# KiCad board PiEEG.kicad_pcb (continued)
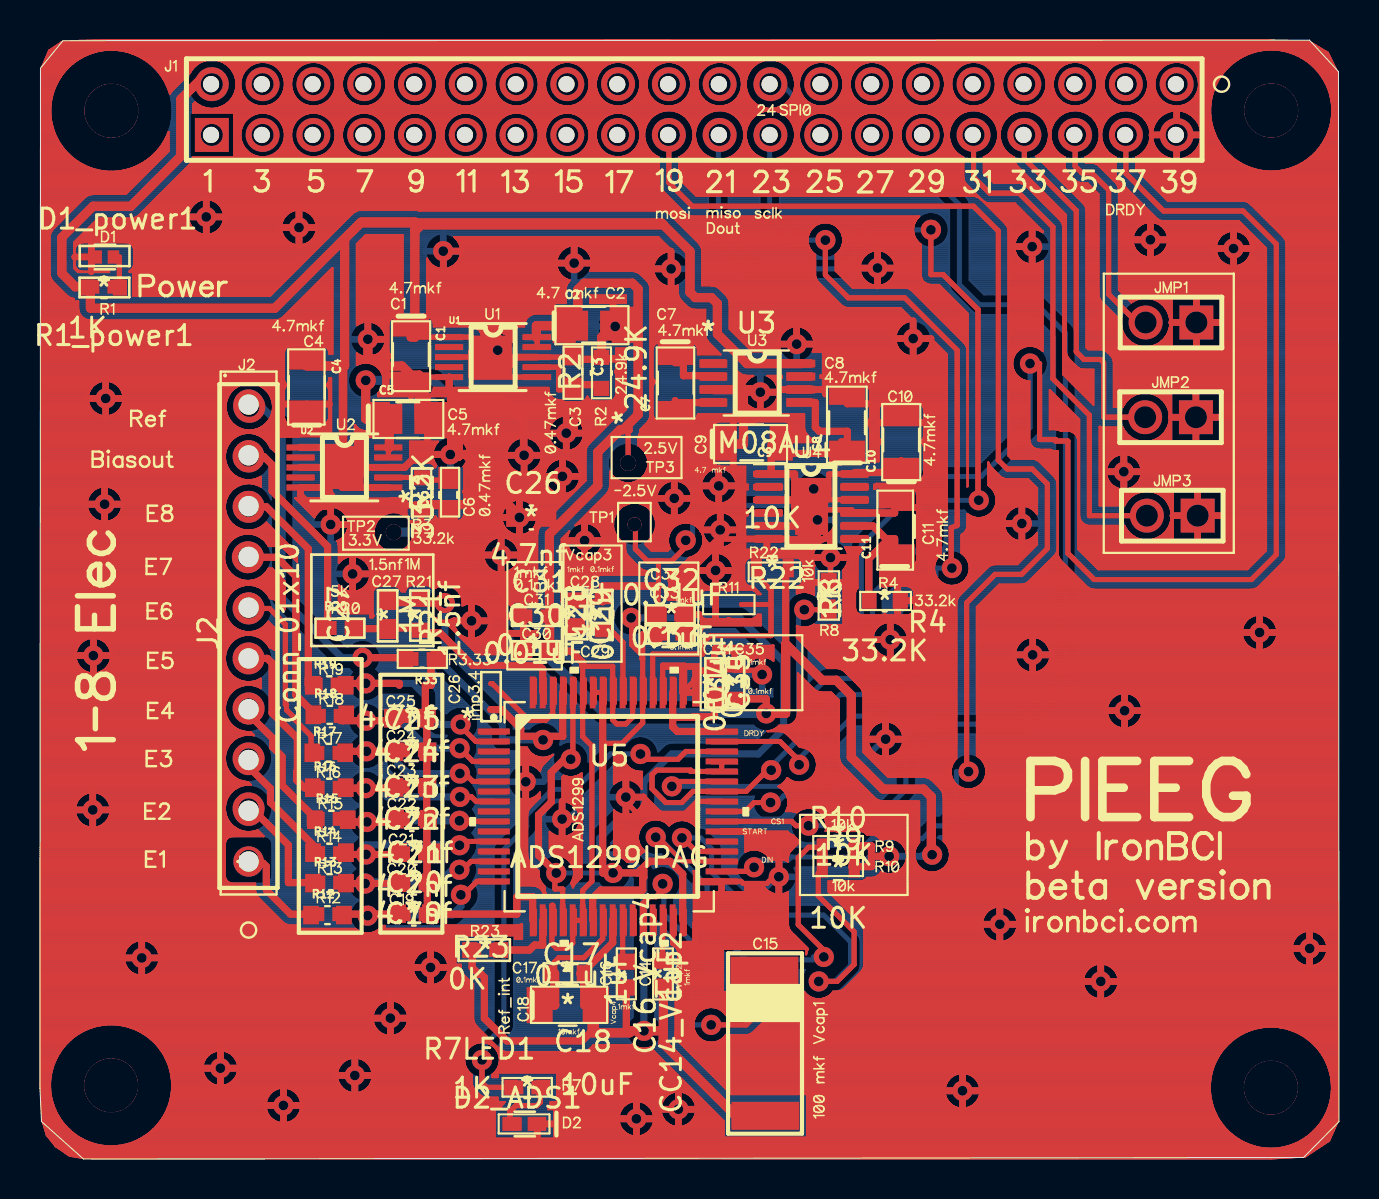
[diagram p0: board, top side]
## Routing (per net, layer and track width the routed paths; a pad name or vN(x,y) marks a point on that pad's centre or on a via; arc(x,y) is an arc through that point) (continued)
21.67,7.09 ; 21.67,7 21.67,7.09 ; 10.79,13.28 10.78,13.32 ; 10.79,13.28 10.78,13.32 ; 10.78,13.32 10.77,13.37 ; 10.78,13.32 10.77,13.37 ; 57.96,50.68 57.92,50.61 ; 57.96,50.68 57.99,50.76 ; 57.96,50.68 57.92,50.61 ; 57.96,50.68 57.99,50.76 ; 57.92,50.61 57.88,50.55 ; 57.92,50.61 57.88,50.55 ; 37.07,41.21 37.11,41.27 ; 37.07,41.21 37.11,41.27 ; 37.07,41.21 37.04,41.15 ; 37.07,41.21 37.04,41.15 ; 37.11,41.27 37.15,41.32 ; 37.11,41.27 37.15,41.32 ; 55.69,50.82 55.67,50.89 ; 55.69,50.82 55.67,50.89 ; 55.69,50.82 55.72,50.74 ; 55.69,50.82 55.72,50.74 ; 55.67,50.89 55.65,50.97 ; 55.67,50.89 55.65,50.97 ; 52.25,47.75 52.22,47.78 ; 52.25,47.75 52.22,47.78 ; 28.71,18.77 28.75,18.81 ; 28.71,18.77 28.75,18.81 ; 28.71,18.77 28.71,20.29 ; 28.71,18.77 28.71,20.29 ; 28.75,18.81 28.81,18.85 ; 28.75,18.81 28.81,18.85 ; 43.72,46.78 43.74,46.83 ; 43.72,46.78 43.74,46.83 ; 59.49,50.23 59.38,50.34 ; 59.49,50.23 59.38,50.34 ; 59.38,50.34 59.28,50.45 ; 59.38,50.34 59.28,50.45 ; 14.02,32.47 14.08,32.51 ; 14.02,32.47 14.08,32.51 ; 46.48,29.37 46.47,29.32 ; 46.48,29.37 46.47,29.32 ; 46.48,29.37 46.49,29.42 ; 46.48,29.37 46.49,29.42 ; 46.47,29.32 46.45,29.27 ; 46.47,29.32 46.45,29.27 ; 12.57,1.88 12.51,1.85 ; 12.57,1.88 12.64,1.92 ; 12.57,1.88 12.51,1.85 ; 12.57,1.88 12.64,1.92 ; 12.51,1.85 12.45,1.83 ; 12.51,1.85 12.45,1.83 ; 30.35,32.65 30.4,32.61 ; 30.35,32.65 30.3,32.68 ; 30.35,32.65 30.4,32.61 ; 30.35,32.65 30.3,32.68 ; 30.4,32.61 30.61,32.39 ; 30.4,32.61 30.61,32.39 ; 13.58,50.12 13.68,50.12 ; 13.58,50.12 13.68,50.12 ; 4.08,37.63 4.04,37.57 ; 4.08,37.63 4.04,37.57 ; 4.08,37.63 4.11,37.7 ; 4.08,37.63 4.11,37.7 ; 4.04,37.57 4,37.52 ; 4.04,37.57 4,37.52 ; 29.26,19.83 29.23,19.88 ; 29.26,19.83 29.23,19.88 ; 29.26,19.83 29.28,19.79 ; 29.26,19.83 29.28,19.79 ; 29.23,19.88 29.21,19.92 ; 29.23,19.88 29.21,19.92 ; 44.21,37.54 44.22,37.5 ; 44.21,37.54 44.2,37.58 ; 44.21,37.54 44.2,37.58 ; 44.21,37.54 44.22,37.5 ; 44.22,37.5 44.22,36.9 ; 44.22,37.5 44.22,36.9 ; 25.43,38.53 25.43,38.58 ; 25.43,38.53 25.43,38.44 ; 25.43,38.53 25.43,38.58 ; 25.43,38.53 25.43,38.44 ; 25.43,38.58 23.78,38.58 ; 25.43,38.58 23.78,38.58 ; 19.6,8.7 19.53,8.69 ; 19.6,8.7 19.53,8.69 ; 19.6,8.7 19.67,8.7 ; 19.6,8.7 19.67,8.7 ; 19.53,8.69 19.46,8.7 ; 19.53,8.69 19.46,8.7 ; 25.21,13.13 25.33,13.13 ; 25.21,13.13 25.2,13.21 ; 25.21,13.13 25.33,13.13 ; 25.21,13.13 25.2,13.21 ; 25.33,13.13 25.37,13.15 ; 25.33,13.13 25.37,13.15 ; 60.92,0.59 61.07,0.56 ; 60.92,0.59 61.07,0.56 ; 36.05,27.23 35.89,27.23 ; 36.05,27.23 36.05,26.7 ; 36.05,27.23 36.05,26.7 ; 36.05,27.23 35.89,27.23 ; 35.89,27.23 35.87,27.19 ; 35.89,27.23 35.87,27.19 ; 21.13,32.04 21.11,32.01 ; 21.13,32.04 21.11,32.01 ; 21.13,32.04 21.16,32.08 ; 21.13,32.04 21.16,32.08 ; 21.11,32.01 21.08,31.99 ; 21.11,32.01 21.08,31.99 ; 23.68,40.04 23.65,39.98 ; 23.68,40.04 23.71,40.11 ; 23.68,40.04 23.65,39.98 ; 23.68,40.04 23.71,40.11 ; 23.65,39.98 23.61,39.93 ; 23.65,39.98 23.61,39.93 ; 30.69,37.09 30.67,37.14 ; 30.69,37.09 30.73,37.04 ; 30.69,37.09 30.67,37.14 ; 30.69,37.09 30.73,37.04 ; 30.67,37.14 30.65,37.2 ; 30.67,37.14 30.65,37.2 ; 21.06,9.54 21.05,9.63 ; 21.06,9.54 21.05,9.63 ; 21.06,9.54 21.06,9.49 ; 21.06,9.54 21.06,9.49 ; 21.05,9.63 21.05,9.72 ; 21.05,9.63 21.05,9.72 ; 57.85,51.97 57.8,52.03 ; 57.85,51.97 57.8,52.03 ; 25.3,13.28 25.28,13.32 ; 25.3,13.28 25.28,13.32 ; 25.28,13.32 25.27,13.35 ; 25.28,13.32 25.27,13.35 ; 5.29,9.19 5.22,9.18 ; 5.29,9.19 5.36,9.21 ; 5.29,9.19 5.36,9.21 ; 5.29,9.19 5.22,9.18 ; 5.22,9.18 5.15,9.17 ; 5.22,9.18 5.15,9.17 ; 42.43,20.12 42.36,20.12 ; 42.43,20.12 42.36,20.12 ; 23.94,52.66 23.84,52.66 ; 23.94,52.66 24.03,52.68 ; 23.94,52.66 23.84,52.66 ; 23.94,52.66 24.03,52.68 ; 23.84,52.66 23.74,52.66 ; 23.84,52.66 23.74,52.66 ; 20.54,26.97 20.5,26.96 ; 20.54,26.97 20.59,26.99 ; 20.54,26.97 20.5,26.96 ; 20.54,26.97 20.59,26.99 ; 20.5,26.96 20.45,26.95 ; 20.5,26.96 20.45,26.95 ; 39.88,53 39.81,52.94 ; 39.88,53 39.81,52.94 ; 12.09,46.82 12.11,46.88 ; 12.09,46.82 12.07,46.75 ; 12.09,46.82 12.07,46.75 ; 12.09,46.82 12.11,46.88 ; 35.05,39.27 35.01,39.3 ; 35.05,39.27 35.01,39.3 ; 35.05,39.27 35.09,39.25 ; 35.05,39.27 35.09,39.25 ; 35.01,39.3 34.97,39.33 ; 35.01,39.3 34.97,39.33 ; 24.84,34.57 24.79,34.52 ; 24.84,34.57 24.89,34.62 ; 24.84,34.57 24.89,34.62 ; 24.84,34.57 24.79,34.52 ; 24.79,34.52 24.73,34.48 ; 24.79,34.52 24.73,34.48 ; 23.65,40.94 23.62,40.99 ; 23.65,40.94 23.62,40.99 ; 35.63,36.77 35.67,36.81 ; 35.63,36.77 35.62,36.77 ; 35.63,36.77 35.62,36.77 ; 35.63,36.77 35.67,36.81 ; 35.67,36.81 35.72,36.85 ; 35.67,36.81 35.72,36.85 ; 15.43,31.81 15.43,31.75 ; 15.43,31.81 15.43,31.75 ; 32.77,51.11 32.76,51.21 ; 32.77,51.11 32.76,51.21 ; 32.77,51.11 32.78,51.01 ; 32.77,51.11 32.78,51.01 ; 32.76,51.21 32.76,51.31 ; 32.76,51.21 32.76,51.31 ; 20.22,44.53 20.15,44.53 ; 20.22,44.53 20.15,44.53 ; 20.22,44.53 20.29,44.54 ; 20.22,44.53 20.29,44.54 ; 20.15,44.53 20.08,44.53 ; 20.15,44.53 20.08,44.53 ; 45.87,4.26 45.94,4.28 ; 45.87,4.26 45.81,4.24 ; 45.87,4.26 45.94,4.28 ; 45.87,4.26 45.81,4.24 ; 45.94,4.28 46.01,4.29 ; 45.94,4.28 46.01,4.29 ; 45.88,28.02 45.9,28.06 ; 45.88,28.02 45.9,28.06 ; 31.21,33.78 31.27,33.82 ; 31.21,33.78 31.27,33.82 ; 43.66,41.94 43.68,41.94 ; 43.66,41.94 43.59,41.93 ; 43.66,41.94 43.68,41.94 ; 43.66,41.94 43.59,41.93 ; 3.53,17.39 3.52,17.32 ; 3.53,17.39 3.52,17.32 ; 3.52,17.32 3.5,17.25 ; 3.52,17.32 3.5,17.25 ; 35.63,52.93 35.57,53.01 ; 35.63,52.93 35.7,52.86 ; 35.63,52.93 35.57,53.01 ; 35.63,52.93 35.7,52.86 ; 35.57,53.01 35.51,53.09 ; 35.57,53.01 35.51,53.09 ; 26.6,34.91 26.66,34.87 ; 26.6,34.91 26.54,34.95 ; 26.6,34.91 26.54,34.95 ; 26.6,34.91 26.66,34.87 ; 26.66,34.87 26.72,34.83 ; 26.66,34.87 26.72,34.83 ; 46.93,3 46.9,2.94 ; 46.93,3 46.96,3.06 ; 46.93,3 46.96,3.06 ; 46.93,3 46.9,2.94 ; 46.9,2.94 46.86,2.88 ; 46.9,2.94 46.86,2.88 ; 37.82,18.85 37.77,18.86 ; 37.82,18.85 37.77,18.86 ; 55.55,33.41 55.65,33.39 ; 55.55,33.41 55.65,33.39 ; 32.68,11.77 32.68,10.76 ; 32.68,11.77 32.69,11.81 ; 32.68,11.77 32.69,11.81 ; 32.68,11.77 32.68,10.76 ; 32.68,10.76 31.66,10.76 ; 32.68,10.76 31.66,10.76 ; 43.86,50.16 43.76,50.19 ; 43.86,50.16 43.76,50.19 ; 14.94,30.74 14.94,30.69 ; 14.94,30.74 14.94,30.69 ; 38.9,43.9 38.87,43.93 ; 38.9,43.9 38.87,43.93 ; 38.9,43.9 38.92,43.87 ; 38.9,43.9 38.92,43.87 ; 38.87,43.93 38.85,43.96 ; 38.87,43.93 38.85,43.96 ; 22.38,29.65 22.34,29.7 ; 22.38,29.65 22.34,29.7 ; 55.97,46.97 55.93,46.99 ; 55.97,46.97 55.93,46.99 ; 20.42,53.08 20.37,53.16 ; 20.42,53.08 20.49,53 ; 20.42,53.08 20.49,53 ; 20.42,53.08 20.37,53.16 ; 20.37,53.16 20.31,53.25 ; 20.37,53.16 20.31,53.25 ; 46.91,3.87 46.94,3.81 ; 46.91,3.87 46.94,3.81 ; 46.91,3.87 46.87,3.93 ; 46.91,3.87 46.87,3.93 ; 46.94,3.81 46.97,3.75 ; 46.94,3.81 46.97,3.75 ; 52.94,43.31 52.94,48.27 ; 52.94,43.31 52.95,43.22 ; 52.94,43.31 52.95,43.22 ; 52.94,43.31 52.94,48.27 ; 52.94,48.27 52.39,48.82 ; 52.94,48.27 52.39,48.82 ; 23.82,29.75 23.78,29.69 ; 23.82,29.75 23.86,29.81 ; 23.82,29.75 23.78,29.69 ; 23.82,29.75 23.86,29.81 ; 23.78,29.69 23.74,29.63 ; 23.78,29.69 23.74,29.63 ; 1.74,45.54 1.75,45.58 ; 1.74,45.54 1.75,45.58 ; 2.81,37.29 2.75,37.33 ; 2.81,37.29 2.75,37.33 ; 39.99,8.39 39.95,8.38 ; 39.99,8.39 40.03,8.4 ; 39.99,8.39 40.03,8.4 ; 39.99,8.39 39.95,8.38 ; 39.95,8.38 39.91,8.38 ; 39.95,8.38 39.91,8.38 ; 4.15,38.25 4.17,38.18 ; 4.15,38.25 4.17,38.18 ; 4.15,38.25 4.14,38.32 ; 4.15,38.25 4.14,38.32 ; 4.17,38.18 4.18,38.11 ; 4.17,38.18 4.18,38.11 ; 15.13,53.53 15.11,53.62 ; 15.13,53.53 15.11,53.62 ; 15.13,53.53 15.16,53.43 ; 15.13,53.53 15.16,53.43 ; 15.11,53.62 15.1,53.72 ; 15.11,53.62 15.1,53.72 ; 43.73,15.17 43.73,15.22 ; 43.73,15.17 43.73,15.22 ; 9.89,4.75 9.9,4.68 ; 9.89,4.75 9.87,4.82 ; 9.89,4.75 9.87,4.82 ; 9.89,4.75 9.9,4.68 ; 9.9,4.68 9.91,4.61 ; 9.9,4.68 9.91,4.61 ; 9.85,4.88 9.87,4.82 ; 9.85,4.88 9.82,4.94 ; 9.85,4.88 9.87,4.82 ; 9.85,4.88 9.82,4.94 ; 56.34,46.39 56.37,46.32 ; 56.34,46.39 56.31,46.45 ; 56.34,46.39 56.37,46.32 ; 56.34,46.39 56.31,46.45 ; 20.25,9.05 20.21,9 ; 20.25,9.05 20.29,9.11 ; 20.25,9.05 20.29,9.11 ; 20.25,9.05 20.21,9 ; 20.21,9 20.16,8.95 ; 20.21,9 20.16,8.95 ; 48.04,50.91 48.02,51.01 ; 48.04,50.91 48.02,51.01 ; 48.04,50.91 48.07,50.82 ; 48.04,50.91 48.07,50.82 ; 48.02,51.01 48.01,51.11 ; 48.02,51.01 48.01,51.11 ; 26.57,52.68 26.48,52.66 ; 26.57,52.68 26.48,52.66 ; 26.48,52.66 26.38,52.66 ; 26.48,52.66 26.38,52.66 ; 18.66,50.12 18.56,50.14 ; 18.66,50.12 18.56,50.14 ; 18.56,50.14 18.46,50.16 ; 18.56,50.14 18.46,50.16 ; 53.21,9.77 53.27,9.75 ; 53.21,9.77 53.14,9.77 ; 53.21,9.77 53.27,9.75 ; 53.21,9.77 53.14,9.77 ; 53.27,9.75 53.34,9.73 ; 53.27,9.75 53.34,9.73 ; 5.85,9.59 5.81,9.53 ; 5.85,9.59 5.81,9.53 ; 5.85,9.59 5.88,9.65 ; 5.85,9.59 5.88,9.65 ; 54.78,23.15 54.83,23.1 ; 54.78,23.15 54.72,23.19 ; 54.78,23.15 54.72,23.19 ; 54.78,23.15 54.83,23.1 ; 22.45,5.78 22.49,5.76 ; 22.45,5.78 22.49,5.76 ; 22.45,5.78 22.4,5.8 ; 22.45,5.78 22.4,5.8 ; 22.49,5.76 22.54,5.74 ; 22.49,5.76 22.54,5.74 ; 43.75,31.64 43.74,31.65 ; 43.75,31.64 43.74,31.65 ; 31.7,10.68 31.66,10.7 ; 31.7,10.68 31.66,10.7 ; 47.09,48 48.29,46.79 ; 47.09,48 48.29,46.79 ; 47.09,48 47.02,48.06 ; 47.09,48 47.02,48.06 ; 48.29,46.79 48.32,46.76 ; 48.29,46.79 48.32,46.76 ; 21.01,36 21.06,35.96 ; 21.01,36 21.06,35.96 ; 21.01,36 20.95,36.04 ; 21.01,36 20.95,36.04 ; 21.06,35.96 21.12,35.92 ; 21.06,35.96 21.12,35.92 ; 36.98,21.68 36.92,21.63 ; 36.98,21.68 37.25,21.68 ; 36.98,21.68 37.25,21.68 ; 36.98,21.68 36.92,21.63 ; 36.92,21.63 36.88,21.59 ; 36.92,21.63 36.88,21.59 ; 32.54,16.85 32.58,16.82 ; 32.54,16.85 32.49,16.87 ; 32.54,16.85 32.58,16.82 ; 32.54,16.85 32.49,16.87 ; 32.58,16.82 32.62,16.8 ; 32.58,16.82 32.62,16.8 ; 15.64,50.28 15.56,50.33 ; 15.64,50.28 15.73,50.23 ; 15.64,50.28 15.73,50.23 ; 15.64,50.28 15.56,50.33 ; 15.56,50.33 15.48,50.4 ; 15.56,50.33 15.48,50.4 ; 38.63,41.21 38.66,41.14 ; 38.63,41.21 38.66,41.14 ; 62.79,6.37 62.93,6.3 ; 62.79,6.37 62.93,6.3 ; 62.27,29.96 62.25,29.93 ; 62.27,29.96 62.25,29.93 ; 62.27,29.96 62.29,30 ; 62.27,29.96 62.29,30 ; 62.25,29.93 62.22,29.9 ; 62.25,29.93 62.22,29.9 ; 24.77,50.62 24.71,50.54 ; 24.77,50.62 24.82,50.71 ; 24.77,50.62 24.71,50.54 ; 24.77,50.62 24.82,50.71 ; 24.71,50.54 24.64,50.46 ; 24.71,50.54 24.64,50.46 ; 56.08,46.93 56.12,46.92 ; 56.08,46.93 56.12,46.92 ; 26.45,19.11 26.4,19.12 ; 26.45,19.11 26.5,19.11 ; 26.45,19.11 26.5,19.11 ; 26.45,19.11 26.4,19.12 ; 26.4,19.12 26.35,19.13 ; 26.4,19.12 26.35,19.13 ; 55.93,53.16 55.87,53.25 ; 55.93,53.16 55.98,53.08 ; 55.93,53.16 55.87,53.25 ; 55.93,53.16 55.98,53.08 ; 55.87,53.25 55.83,53.34 ; 55.87,53.25 55.83,53.34 ; 10.93,38.72 11.02,38.68 ; 10.93,38.72 11.02,38.68 ; 10.93,38.72 10.83,38.76 ; 10.93,38.72 10.83,38.76 ; 11.02,38.68 11.11,38.63 ; 11.02,38.68 11.11,38.63 ; 25.29,54.02 25.27,53.92 ; 25.29,54.02 25.27,53.92 ; 63.09,0.93 62.96,0.85 ; 63.09,0.93 63.22,1 ; 63.09,0.93 62.96,0.85 ; 63.09,0.93 63.22,1 ; 62.96,0.85 62.83,0.79 ; 62.96,0.85 62.83,0.79 ; 13.02,45.71 12.95,45.71 ; 13.02,45.71 13.08,45.72 ; 13.02,45.71 12.95,45.71 ; 13.02,45.71 13.08,45.72 ; 12.95,45.71 12.88,45.71 ; 12.95,45.71 12.88,45.71 ; 14.99,4.65 14.96,4.59 ; 14.99,4.65 14.96,4.59 ; 53.56,40.2 53.59,40.17 ; 53.56,40.2 53.59,40.17 ; 22.41,51.18 22.4,51.08 ; 22.41,51.18 22.4,51.08 ; 22.41,51.18 22.41,51.28 ; 22.41,51.18 22.41,51.28 ; 22.4,51.08 22.38,50.99 ; 22.4,51.08 22.38,50.99 ; 40.18,51.08 40.16,50.99 ; 40.18,51.08 40.19,51.18 ; 40.18,51.08 40.19,51.18 ; 40.18,51.08 40.16,50.99 ; 40.16,50.99 40.13,50.89 ; 40.16,50.99 40.13,50.89 ; 26.45,30.53 26.42,30.6 ; 26.45,30.53 26.42,30.6 ; 21.64,3.62 21.62,3.66 ; 21.64,3.62 21.65,3.58 ; 21.64,3.62 21.65,3.58 ; 21.64,3.62 21.62,3.66 ; 21.62,3.66 21.61,3.7 ; 21.62,3.66 21.61,3.7 ; 50.61,50.82 50.65,50.72 ; 50.61,50.82 50.65,50.72 ; 33.27,7.55 33.32,7.57 ; 33.27,7.55 33.23,7.53 ; 33.27,7.55 33.23,7.53 ; 33.27,7.55 33.32,7.57 ; 1.16,1.79 1.07,1.91 ; 1.16,1.79 1.07,1.91 ; 22.78,4.36 22.74,4.33 ; 22.78,4.36 22.74,4.33 ; 22.78,4.36 22.81,4.4 ; 22.78,4.36 22.81,4.4 ; 22.74,4.33 22.7,4.29 ; 22.74,4.33 22.7,4.29 ; 1.82,17.81 1.85,17.88 ; 1.82,17.81 1.85,17.88 ; 1.85,17.88 1.88,17.94 ; 1.85,17.88 1.88,17.94 ; 21.2,52.66 21.1,52.68 ; 21.2,52.66 21.1,52.68 ; 21.1,52.68 21,52.7 ; 21.1,52.68 21,52.7 ; 63.06,6.23 62.93,6.3 ; 63.06,6.23 62.93,6.3 ; 34.47,30.02 34.52,29.97 ; 34.47,30.02 34.43,30.07 ; 34.47,30.02 34.43,30.07 ; 34.47,30.02 34.52,29.97 ; 34.52,29.97 34.55,29.91 ; 34.52,29.97 34.55,29.91 ; 46.45,29.27 46.44,29.22 ; 46.45,29.27 46.44,29.22 ; 43.05,53.92 43.04,53.82 ; 43.05,53.92 43.04,53.82 ; 18.32,7.45 18.35,7.38 ; 18.32,7.45 18.35,7.38 ; 18.32,7.45 18.29,7.51 ; 18.32,7.45 18.29,7.51 ; 18.35,7.38 18.38,7.32 ; 18.35,7.38 18.38,7.32 ; 5.98,9.98 5.97,9.91 ; 5.98,9.98 5.98,10.05 ; 5.98,9.98 5.98,10.05 ; 5.98,9.98 5.97,9.91 ; 5.97,9.91 5.96,9.84 ; 5.97,9.91 5.96,9.84 ; 19.68,38.45 19.66,38.42 ; 19.68,38.45 19.69,38.49 ; 19.68,38.45 19.69,38.49 ; 19.68,38.45 19.66,38.42 ; 19.66,38.42 19.65,38.38 ; 19.66,38.42 19.65,38.38 ; 9.25,22.47 9.25,22.57 ; 9.25,22.47 9.26,22.38 ; 9.25,22.47 9.26,22.38 ; 9.25,22.47 9.25,22.57 ; 9.25,22.57 9.26,22.67 ; 9.25,22.57 9.26,22.67 ; 24.81,19.6 24.87,19.56 ; 24.81,19.6 24.75,19.64 ; 24.81,19.6 24.87,19.56 ; 24.81,19.6 24.75,19.64 ; 24.87,19.56 24.92,19.51 ; 24.87,19.56 24.92,19.51 ; 33.42,5.83 33.37,5.84 ; 33.42,5.83 33.47,5.82 ; 33.42,5.83 33.47,5.82 ; 33.42,5.83 33.37,5.84 ; 33.37,5.84 33.33,5.85 ; 33.37,5.84 33.33,5.85 ; 38.83,19.48 38.81,19.43 ; 38.83,19.48 38.81,19.43 ; 38.83,19.48 38.84,19.53 ; 38.83,19.48 38.84,19.53 ; 11.33,25.82 11.39,25.74 ; 11.33,25.82 11.26,25.89 ; 11.33,25.82 11.39,25.74 ; 11.33,25.82 11.26,25.89 ; 11.39,25.74 11.45,25.65 ; 11.39,25.74 11.45,25.65 ; 29.89,1.12 29.82,1.12 ; 29.89,1.12 29.82,1.12 ; 57.61,50.26 57.54,50.21 ; 57.61,50.26 57.54,50.21 ; 57.61,50.26 57.67,50.31 ; 57.61,50.26 57.67,50.31 ; 57.54,50.21 57.47,50.17 ; 57.54,50.21 57.47,50.17 ; 40.06,13.9 40.12,13.9 ; 40.06,13.9 40.12,13.9 ; 16.51,4.64 16.55,4.58 ; 16.51,4.64 16.55,4.58 ; 16.55,4.58 16.57,4.52 ; 16.55,4.58 16.57,4.52 ; 15.95,3.31 15.88,3.3 ; 15.95,3.31 16.01,3.33 ; 15.95,3.31 16.01,3.33 ; 15.95,3.31 15.88,3.3 ; 15.88,3.3 15.81,3.29 ; 15.88,3.3 15.81,3.29 ; 54.15,37.62 54.2,37.71 ; 54.15,37.62 53.71,37.62 ; 54.15,37.62 53.71,37.62 ; 54.15,37.62 54.2,37.71 ; 54.2,37.71 54.25,37.79 ; 54.2,37.71 54.25,37.79 ; 31.05,2.57 31.05,2.64 ; 31.05,2.57 31.05,2.64 ; 31.05,2.57 31.04,2.5 ; 31.05,2.57 31.04,2.5 ; 31.05,2.64 31.07,2.71 ; 31.05,2.64 31.07,2.71 ; 38.34,52.94 38.27,53 ; 38.34,52.94 38.42,52.87 ; 38.34,52.94 38.27,53 ; 38.34,52.94 38.42,52.87 ; 19.53,44.8 19.48,44.85 ; 19.53,44.8 19.48,44.85 ; 19.48,44.85 19.44,44.91 ; 19.48,44.85 19.44,44.91 ; 60.64,28.48 60.55,28.48 ; 60.64,28.48 60.55,28.48 ; 60.55,28.48 52.73,28.48 ; 60.55,28.48 52.73,28.48 ; 47.29,19.09 47.27,19.04 ; 47.29,19.09 47.3,19.14 ; 47.29,19.09 47.3,19.14 ; 47.29,19.09 47.27,19.04 ; 47.27,19.04 47.25,19 ; 47.27,19.04 47.25,19 ; 17.45,6.16 17.38,6.17 ; 17.45,6.16 17.38,6.17 ; 3.11,44.41 3.07,44.4 ; 3.11,44.41 3.07,44.4 ; 25.85,45.04 25.87,45.11 ; 25.85,45.04 25.84,44.97 ; 25.85,45.04 25.87,45.11 ; 25.85,45.04 25.84,44.97 ; 25.87,45.11 25.9,45.17 ; 25.87,45.11 25.9,45.17 ; 3.6,0.03 61.6,0.03 ; 3.6,0.03 2.18,0.05 ; 3.6,0.03 2.18,0.05 ; 3.6,0.03 61.6,0.03 ; 61.6,0.03 63.29,0.12 ; 61.6,0.03 63.29,0.12 ; 46.41,29.96 46.43,29.91 ; 46.41,29.96 46.39,30 ; 46.41,29.96 46.39,30 ; 46.41,29.96 46.43,29.91 ; 48.53,32.47 48.59,32.51 ; 48.53,32.47 48.48,32.42 ; 48.53,32.47 48.48,32.42 ; 48.53,32.47 48.59,32.51 ; 48.59,32.51 48.64,32.55 ; 48.59,32.51 48.64,32.55 ; 43.14,41.76 43.2,41.8 ; 43.14,41.76 43.2,41.8 ; 43.14,41.76 43.09,41.72 ; 43.14,41.76 43.09,41.72 ; 43.2,41.8 43.26,41.83 ; 43.2,41.8 43.26,41.83 ; 45.26,51.38 45.27,51.28 ; 45.26,51.38 45.27,51.28 ; 45.27,51.28 45.27,51.18 ; 45.27,51.28 45.27,51.18 ; 35.37,6.2 35.28,6.2 ; 35.37,6.2 35.41,6.21 ; 35.37,6.2 35.28,6.2 ; 35.37,6.2 35.41,6.21 ; 35.28,6.2 34.3,6.2 ; 35.28,6.2 34.3,6.2 ; 24.4,17.39 24.42,17.43 ; 24.4,17.39 24.39,17.35 ; 24.4,17.39 24.42,17.43 ; 24.4,17.39 24.39,17.35 ; 24.42,17.43 24.43,17.47 ; 24.42,17.43 24.43,17.47 ; 24.03,52.68 24.13,52.7 ; 24.03,52.68 24.13,52.7 ; 32.59,51.72 32.62,51.63 ; 32.59,51.72 32.62,51.63 ; 32.59,51.72 32.54,51.81 ; 32.59,51.72 32.54,51.81 ; 32.62,51.63 32.65,51.53 ; 32.62,51.63 32.65,51.53 ; 2,25.77 2.04,25.82 ; 2,25.77 1.95,25.72 ; 2,25.77 2.04,25.82 ; 2,25.77 1.95,25.72 ; 2.04,25.82 2.1,25.87 ; 2.04,25.82 2.1,25.87 ; 11.71,54.73 11.79,54.67 ; 11.71,54.73 11.79,54.67 ; 11.79,54.67 11.87,54.61 ; 11.79,54.67 11.87,54.61 ; 55.04,34.72 55.06,34.65 ; 55.04,34.72 55.06,34.65 ; 56.32,31.4 56.25,31.33 ; 56.32,31.4 56.25,31.33 ; 56.25,31.33 56.18,31.26 ; 56.25,31.33 56.18,31.26 ; 37.25,36.91 37.31,36.9 ; 37.25,36.91 36.02,36.91 ; 37.25,36.91 37.31,36.9 ; 37.25,36.91 36.02,36.91 ; 37.31,36.9 37.37,36.88 ; 37.31,36.9 37.37,36.88 ; 20.47,36.14 20.54,36.14 ; 20.47,36.14 20.54,36.14 ; 20.54,36.14 20.61,36.14 ; 20.54,36.14 20.61,36.14 ; 18.36,28.6 18.41,28.64 ; 18.36,28.6 18.32,28.55 ; 18.36,28.6 18.32,28.55 ; 18.36,28.6 18.41,28.64 ; 22.2,30.43 22.22,30.5 ; 22.2,30.43 22.19,30.37 ; 22.2,30.43 22.19,30.37 ; 22.2,30.43 22.22,30.5 ; 22.22,30.5 22.25,30.57 ; 22.22,30.5 22.25,30.57 ; 61.93,6.6 62.08,6.58 ; 61.93,6.6 61.78,6.62 ; 61.93,6.6 61.78,6.62 ; 61.93,6.6 62.08,6.58 ; 62.08,6.58 62.22,6.55 ; 62.08,6.58 62.22,6.55 ; 43.75,29.75 43.7,29.72 ; 43.75,29.75 43.7,29.72 ; 43.75,29.75 43.79,29.8 ; 43.75,29.75 43.79,29.8 ; 43.7,29.72 43.65,29.69 ; 43.7,29.72 43.65,29.69 ; 30.78,31.47 30.66,31.19 ; 30.78,31.47 30.8,31.53 ; 30.78,31.47 30.8,31.53 ; 30.78,31.47 30.66,31.19 ; 30.66,31.19 30.63,31.14 ; 30.66,31.19 30.63,31.14 ; 17.65,51.38 17.67,51.48 ; 17.65,51.38 17.64,51.28 ; 17.65,51.38 17.64,51.28 ; 17.65,51.38 17.67,51.48 ; 17.67,51.48 17.7,51.58 ; 17.67,51.48 17.7,51.58 ; 28.81,18.85 28.87,18.88 ; 28.81,18.85 28.87,18.88 ; 28.87,18.88 28.93,18.92 ; 28.87,18.88 28.93,18.92 ; 39.73,52.13 39.81,52.07 ; 39.73,52.13 39.81,52.07 ; 39.73,52.13 39.65,52.19 ; 39.73,52.13 39.65,52.19 ; 39.81,52.07 39.88,52 ; 39.81,52.07 39.88,52 ; 40.9,27.29 40.86,27.33 ; 40.9,27.29 40.95,27.26 ; 40.9,27.29 40.95,27.26 ; 40.9,27.29 40.86,27.33 ; 40.86,27.33 40.83,27.38 ; 40.86,27.33 40.83,27.38 ; 32.88,53.72 32.88,53.82 ; 32.88,53.72 32.89,53.62 ; 32.88,53.72 32.88,53.82 ; 32.88,53.72 32.89,53.62 ; 32.88,53.82 32.89,53.92 ; 32.88,53.82 32.89,53.92 ; 49.57,40.69 49.62,40.68 ; 49.57,40.69 49.62,40.68 ; 49.57,40.69 49.52,40.69 ; 49.57,40.69 49.52,40.69 ; 49.62,40.68 49.67,40.68 ; 49.62,40.68 49.67,40.68 ; 54.97,35.92 54.87,35.95 ; 54.97,35.92 54.87,35.95 ; 54.97,35.92 55.07,35.9 ; 54.97,35.92 55.07,35.9 ; 54.87,35.95 54.78,35.98 ; 54.87,35.95 54.78,35.98 ; 9.59,16.71 9.52,16.79 ; 9.59,16.71 9.66,16.65 ; 9.59,16.71 9.66,16.65 ; 9.59,16.71 9.52,16.79 ; 9.52,16.79 9.46,16.87 ; 9.52,16.79 9.46,16.87 ; 58.56,3.03 58.54,3.18 ; 58.56,3.03 58.54,3.18 ; 58.54,3.18 58.52,3.33 ; 58.54,3.18 58.52,3.33 ; 24.83,32.37 24.85,32.3 ; 24.83,32.37 24.81,32.44 ; 24.83,32.37 24.81,32.44 ; 24.83,32.37 24.85,32.3 ; 27.17,36.03 27.14,35.96 ; 27.17,36.03 27.19,36.1 ; 27.17,36.03 27.14,35.96 ; 27.17,36.03 27.19,36.1 ; 27.14,35.96 27.11,35.9 ; 27.14,35.96 27.11,35.9 ; 2.99,18.29 3.05,18.26 ; 2.99,18.29 2.92,18.31 ; 2.99,18.29 3.05,18.26 ; 2.99,18.29 2.92,18.31 ; 3.05,18.26 3.11,18.22 ; 3.05,18.26 3.11,18.22 ; 4.08,33.03 4.1,32.96 ; 4.08,33.03 4.06,33.1 ; 4.08,33.03 4.06,33.1 ; 4.08,33.03 4.1,32.96 ; 4.1,32.96 4.11,32.9 ; 4.1,32.96 4.11,32.9 ; 44.57,14.33 44.53,14.34 ; 44.57,14.33 44.53,14.34 ; 44.57,14.33 44.62,14.33 ; 44.57,14.33 44.62,14.33 ; 44.53,14.34 44.48,14.35 ; 44.53,14.34 44.48,14.35 ; 32.71,14.21 32.71,11.94 ; 32.71,14.21 32.71,14.3 ; 32.71,14.21 32.71,14.3 ; 32.71,14.21 32.71,11.94 ; 32.71,11.94 32.71,11.9 ; 32.71,11.94 32.71,11.9 ; 63.22,9.69 63.16,9.71 ; 63.22,9.69 63.16,9.71 ; 63.22,9.69 63.29,9.67 ; 63.22,9.69 63.29,9.67 ; 63.16,9.71 63.09,9.74 ; 63.16,9.71 63.09,9.74 ; 56.58,35.88 56.58,38.35 ; 56.58,35.88 56.58,38.35 ; 45.51,15.33 45.51,15.28 ; 45.51,15.33 45.5,15.38 ; 45.51,15.33 45.5,15.38 ; 45.51,15.33 45.51,15.28 ; 45.51,15.28 45.52,15.23 ; 45.51,15.28 45.52,15.23 ; 42.99,14.42 42.95,14.39 ; 42.99,14.42 43.03,14.45 ; 42.99,14.42 